# Altium PCB Tag201_GangProgrammerRev2.PcbDoc (part 6 of 7)
Units mil, origin at the board's own origin, x right, y up, seen from the top; angles counter-clockwise.
Board outline 10400 x 10885 mil, 4 copper layers (Top Layer, VCC, GND, Bottom Layer), stack 67.2 mil thick; 831 components, 394 nets, 2486 pads, 638 vias.
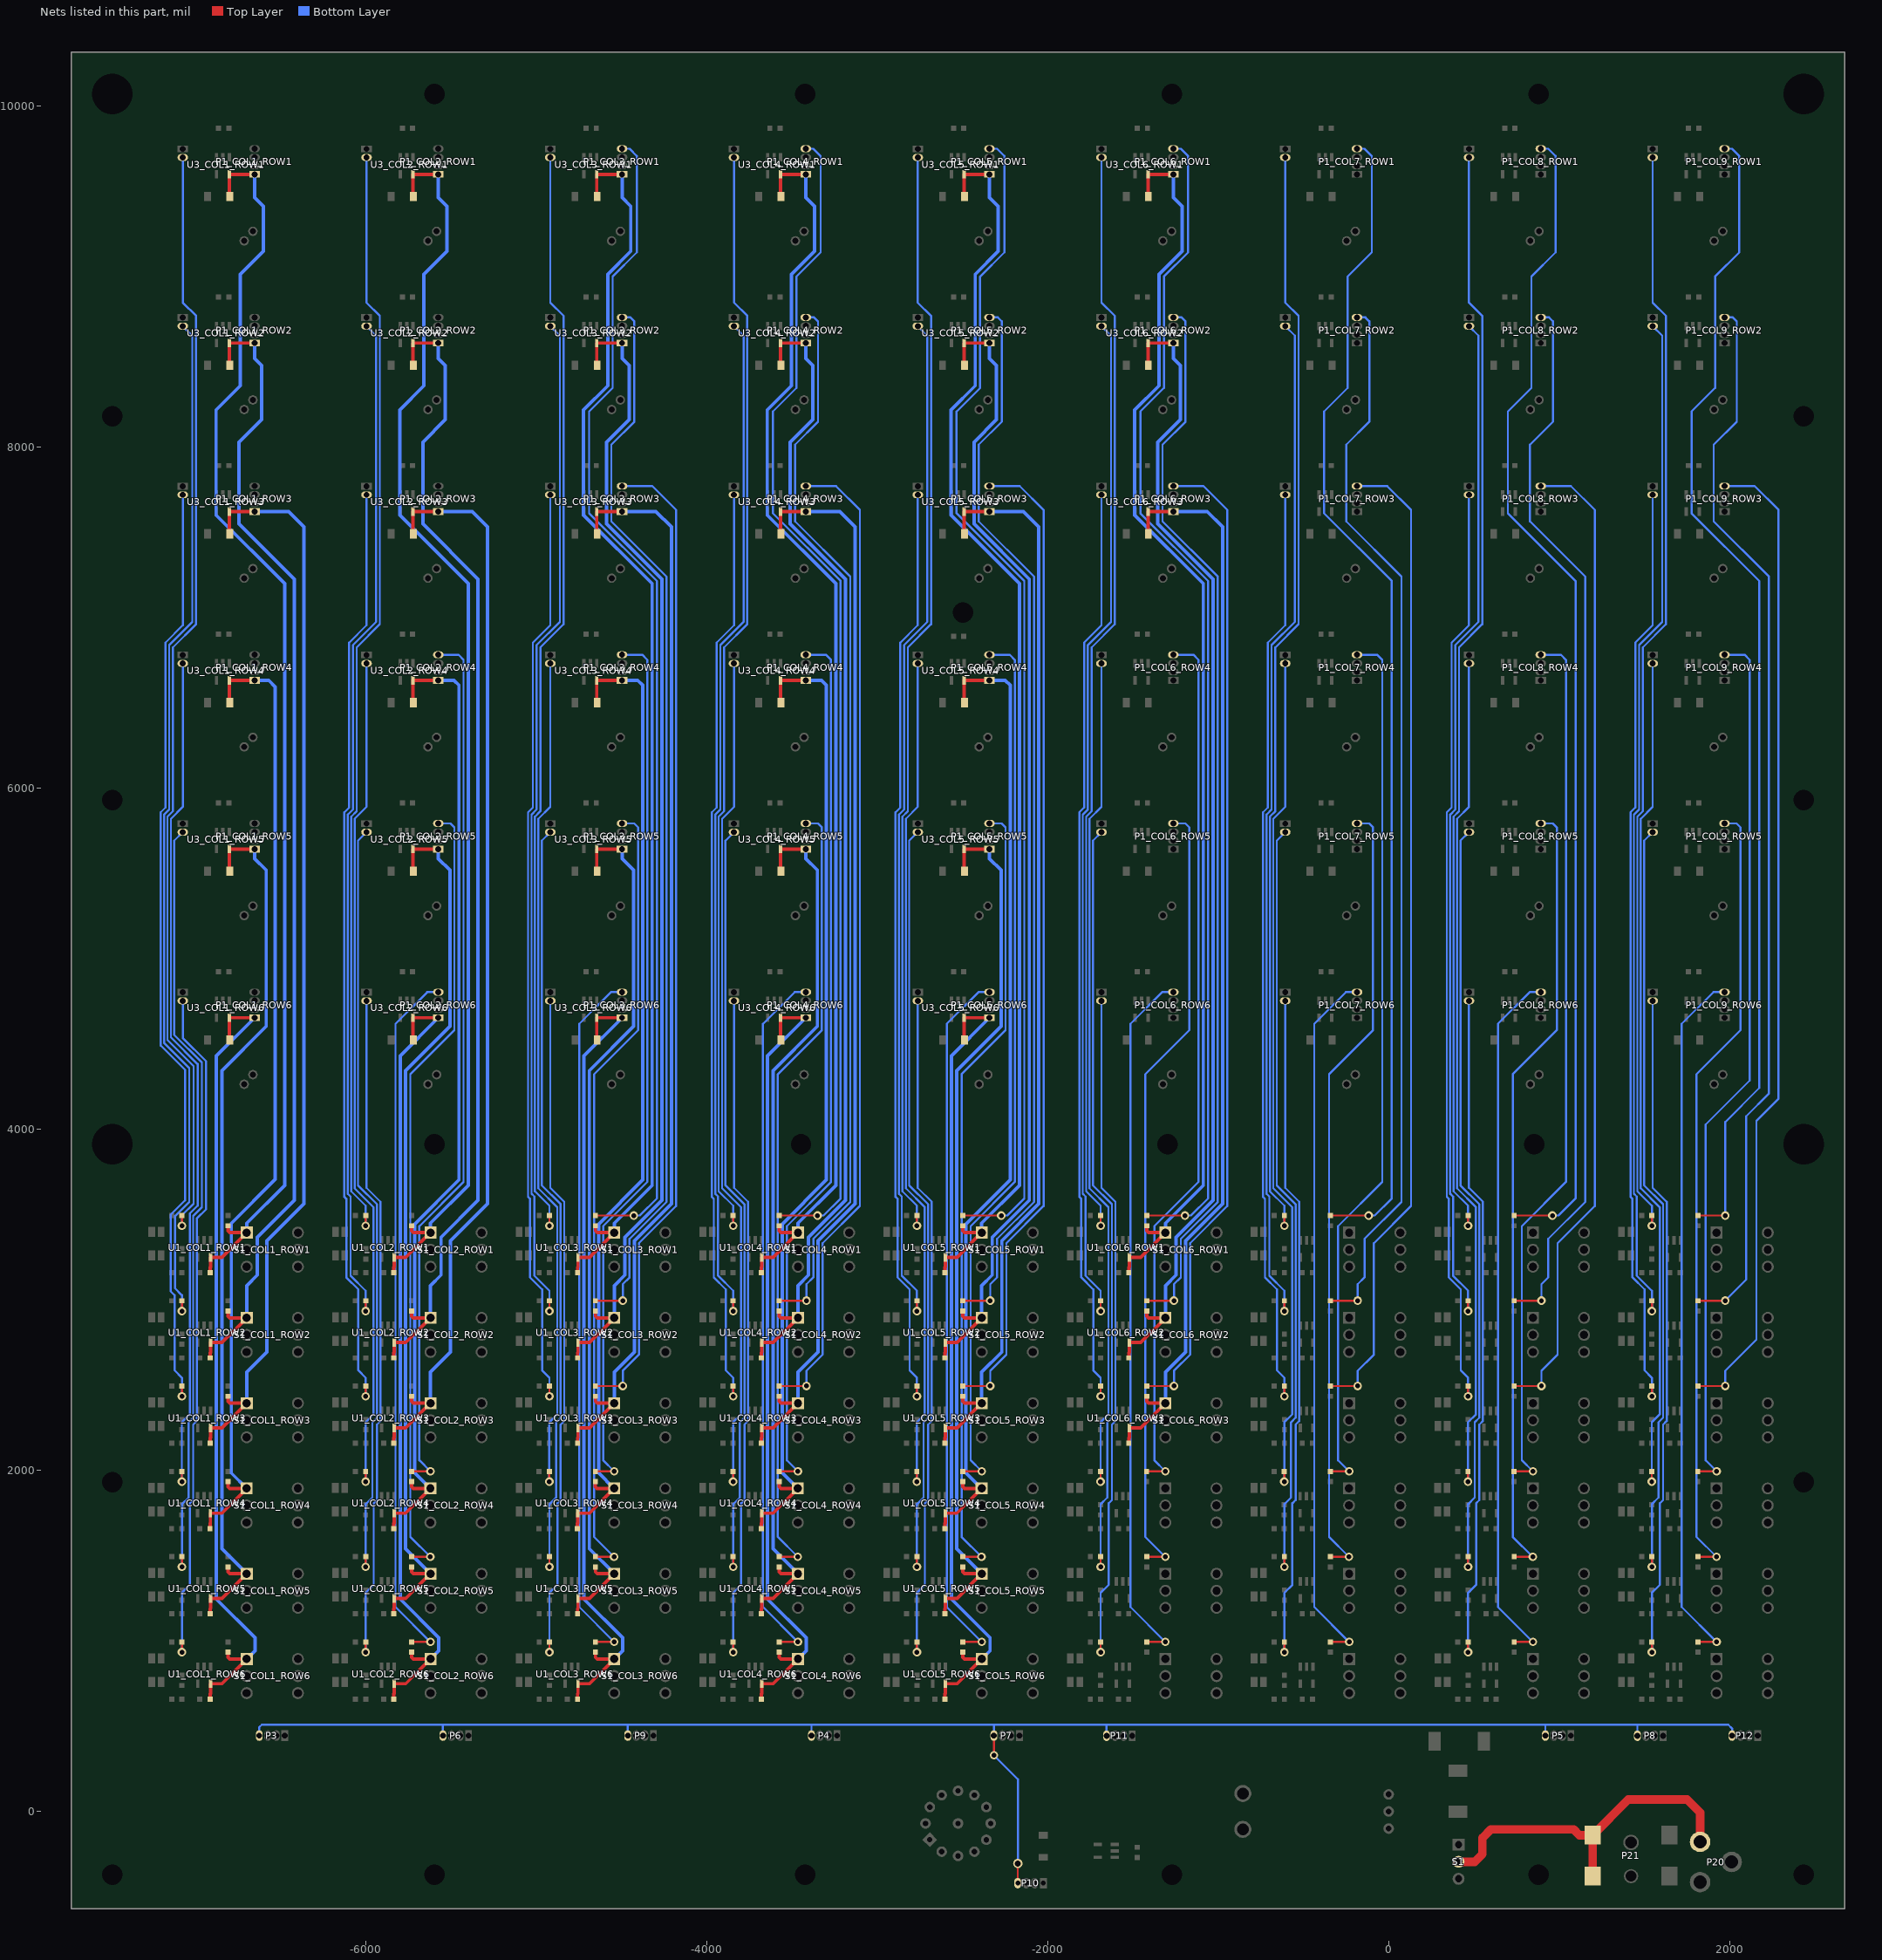
[diagram p8: the nets of this part, all layers, seen from the top]

## Via types
v1: diameter 50, hole 28, Top Layer to Bottom Layer, tented both sides, 638 vias

## Nets (pads, with @x,y where several pads share a name; then routed paths per layer and width w, separated by ;. In a path a pad name is that pad's centre, name@x,y a point inside that pad or via, vN(x,y) a via of type N, cw(c..) or ccw(c..) an arc to the next point about the centre after c; other vN are vias at no path point) (continued)
RESET_COL2_ROW4: P1_COL2_ROW4.4 R4_COL2_ROW4.1 | length 5163.1
  Top Layer w12: R4_COL2_ROW4.1@-5729.5,1994 v1(-5619,1994)
  Bottom Layer w12: v1(-5619,1994) -5684,2059 -5684,3432 -5425,3691 -5425,6752 -5455,6782 P1_COL2_ROW4.4@-5573,6782
RESET_COL2_ROW5: P1_COL2_ROW5.4 R4_COL2_ROW5.1 | length 4644.9
  Top Layer w12: R4_COL2_ROW5.1@-5729,1494 v1@-5620,1494
  Bottom Layer w12: v1(-5620,1493) -5737,1610 -5737,4323 -5479,4581 -5479,5770 -5502,5793 P1_COL2_ROW5.4@-5573,5793
RESET_COL2_ROW6: P1_COL2_ROW6.4 R4_COL2_ROW6.1 | length 4147
  Top Layer w12: R4_COL2_ROW6.1@-5729,994 v1(-5619,994)
  Bottom Layer w12: v1(-5619,994) -5824,1199 -5824,4618 -5638,4804 P1_COL2_ROW6.4@-5573,4804
RESET_COL3_ROW1: P1_COL3_ROW1.4 R4_COL3_ROW1.1 | length 6898.4
  Top Layer w12: R4_COL3_ROW1.1@-4651.5,3494 v1(-4427,3494)
  Bottom Layer w12: P1_COL3_ROW1.4@-4495.5,9749 -4451.5,9749 -4408.5,9706 -4408.5,9142 -4550.5,9000 -4550.5,8346 -4688.5,8208 -4688.5,7612 -4291.5,7215 -4291.5,3594.5 -4392,3494 v1(-4427,3494)
RESET_COL3_ROW2: P1_COL3_ROW2.4 R4_COL3_ROW2.1 | length 6280.1
  Top Layer w12: R4_COL3_ROW2.1@-4651.5,2994 v1@-4491.5,2994
  Bottom Layer w12: P1_COL3_ROW2.4@-4495.5,8760 -4446.5,8760 -4423.5,8737 -4423.5,8149 -4558.5,8014 -4558.5,7564 -4234.5,7240 -4234.5,3574 -4451.5,3357 -4451.5,3131 -4491.5,3091 v1(-4491.5,2995)
RESET_COL3_ROW3: P1_COL3_ROW3.4 R4_COL3_ROW3.1 | length 5800.6
  Top Layer w12: R4_COL3_ROW3.1@-4651.5,2494 v1@-4491.5,2494
  Bottom Layer w12: P1_COL3_ROW3.4@-4495.5,7771 -4318.5,7771 -4178.5,7631 -4178.5,3550 -4396.5,3332 -4396.5,2679 -4491.5,2584 v1(-4491.5,2495)
RESET_COL3_ROW4: P1_COL3_ROW4.4 R4_COL3_ROW4.1 | length 5163.1
  Top Layer w12: R4_COL3_ROW4.1@-4652,1994 v1(-4541.5,1994)
  Bottom Layer w12: v1(-4541.5,1994) -4606.5,2059 -4606.5,3432 -4347.5,3691 -4347.5,6752 -4377.5,6782 P1_COL3_ROW4.4@-4495.5,6782
RESET_COL3_ROW5: P1_COL3_ROW5.4 R4_COL3_ROW5.1 | length 4644.9
  Top Layer w12: R4_COL3_ROW5.1@-4651.5,1494 v1@-4542.5,1494
  Bottom Layer w12: v1(-4542.5,1493) -4659.5,1610 -4659.5,4323 -4401.5,4581 -4401.5,5770 -4424.5,5793 P1_COL3_ROW5.4@-4495.5,5793
RESET_COL3_ROW6: P1_COL3_ROW6.4 R4_COL3_ROW6.1 | length 4147
  Top Layer w12: R4_COL3_ROW6.1@-4651.5,994 v1(-4541.5,994)
  Bottom Layer w12: v1(-4541.5,994) -4746.5,1199 -4746.5,4618 -4560.5,4804 P1_COL3_ROW6.4@-4495.5,4804
RESET_COL4_ROW1: P1_COL4_ROW1.4 R4_COL4_ROW1.1 | length 6898.4
  Top Layer w12: R4_COL4_ROW1.1@-3574,3494 v1(-3349.5,3494)
  Bottom Layer w12: P1_COL4_ROW1.4@-3418,9749 -3374,9749 -3331,9706 -3331,9142 -3473,9000 -3473,8346 -3611,8208 -3611,7612 -3214,7215 -3214,3594.5 -3314.5,3494 v1(-3349.5,3494)
RESET_COL4_ROW2: P1_COL4_ROW2.4 R4_COL4_ROW2.1 | length 6280.1
  Top Layer w12: R4_COL4_ROW2.1@-3574,2994 v1@-3414,2994
  Bottom Layer w12: P1_COL4_ROW2.4@-3418,8760 -3369,8760 -3346,8737 -3346,8149 -3481,8014 -3481,7564 -3157,7240 -3157,3574 -3374,3357 -3374,3131 -3414,3091 v1(-3414,2995)
RESET_COL4_ROW3: P1_COL4_ROW3.4 R4_COL4_ROW3.1 | length 5800.6
  Top Layer w12: R4_COL4_ROW3.1@-3574,2494 v1@-3414,2494
  Bottom Layer w12: P1_COL4_ROW3.4@-3418,7771 -3241,7771 -3101,7631 -3101,3550 -3319,3332 -3319,2679 -3414,2584 v1(-3414,2495)
RESET_COL4_ROW4: P1_COL4_ROW4.4 R4_COL4_ROW4.1 | length 5163.1
  Top Layer w12: R4_COL4_ROW4.1@-3574.5,1994 v1(-3464,1994)
  Bottom Layer w12: v1(-3464,1994) -3529,2059 -3529,3432 -3270,3691 -3270,6752 -3300,6782 P1_COL4_ROW4.4@-3418,6782
RESET_COL4_ROW5: P1_COL4_ROW5.4 R4_COL4_ROW5.1 | length 4644.9
  Top Layer w12: R4_COL4_ROW5.1@-3574,1494 v1@-3465,1494
  Bottom Layer w12: v1(-3465,1493) -3582,1610 -3582,4323 -3324,4581 -3324,5770 -3347,5793 P1_COL4_ROW5.4@-3418,5793
RESET_COL4_ROW6: P1_COL4_ROW6.4 R4_COL4_ROW6.1 | length 4147
  Top Layer w12: R4_COL4_ROW6.1@-3574,994 v1(-3464,994)
  Bottom Layer w12: v1(-3464,994) -3669,1199 -3669,4618 -3483,4804 P1_COL4_ROW6.4@-3418,4804
RESET_COL5_ROW1: P1_COL5_ROW1.4 R4_COL5_ROW1.1 | length 6898.4
  Top Layer w12: R4_COL5_ROW1.1@-2496.5,3494 v1(-2272,3494)
  Bottom Layer w12: P1_COL5_ROW1.4@-2340.5,9749 -2296.5,9749 -2253.5,9706 -2253.5,9142 -2395.5,9000 -2395.5,8346 -2533.5,8208 -2533.5,7612 -2136.5,7215 -2136.5,3594.5 -2237,3494 v1(-2272,3494)
RESET_COL5_ROW2: P1_COL5_ROW2.4 R4_COL5_ROW2.1 | length 6280.1
  Top Layer w12: R4_COL5_ROW2.1@-2496.5,2994 v1@-2336.5,2994
  Bottom Layer w12: P1_COL5_ROW2.4@-2340.5,8760 -2291.5,8760 -2268.5,8737 -2268.5,8149 -2403.5,8014 -2403.5,7564 -2079.5,7240 -2079.5,3574 -2296.5,3357 -2296.5,3131 -2336.5,3091 v1(-2336.5,2995)
RESET_COL5_ROW3: P1_COL5_ROW3.4 R4_COL5_ROW3.1 | length 5800.6
  Top Layer w12: R4_COL5_ROW3.1@-2496.5,2494 v1@-2336.5,2494
  Bottom Layer w12: P1_COL5_ROW3.4@-2340.5,7771 -2163.5,7771 -2023.5,7631 -2023.5,3550 -2241.5,3332 -2241.5,2679 -2336.5,2584 v1(-2336.5,2495)
RESET_COL5_ROW4: P1_COL5_ROW4.4 R4_COL5_ROW4.1 | length 5163.1
  Top Layer w12: R4_COL5_ROW4.1@-2497,1994 v1(-2386.5,1994)
  Bottom Layer w12: v1(-2386.5,1994) -2451.5,2059 -2451.5,3432 -2192.5,3691 -2192.5,6752 -2222.5,6782 P1_COL5_ROW4.4@-2340.5,6782
RESET_COL5_ROW5: P1_COL5_ROW5.4 R4_COL5_ROW5.1 | length 4644.9
  Top Layer w12: R4_COL5_ROW5.1@-2496.5,1494 v1@-2387.5,1494
  Bottom Layer w12: v1(-2387.5,1493) -2504.5,1610 -2504.5,4323 -2246.5,4581 -2246.5,5770 -2269.5,5793 P1_COL5_ROW5.4@-2340.5,5793
RESET_COL5_ROW6: P1_COL5_ROW6.4 R4_COL5_ROW6.1 | length 4147
  Top Layer w12: R4_COL5_ROW6.1@-2496.5,994 v1(-2386.5,994)
  Bottom Layer w12: v1(-2386.5,994) -2591.5,1199 -2591.5,4618 -2405.5,4804 P1_COL5_ROW6.4@-2340.5,4804
RESET_COL6_ROW1: P1_COL6_ROW1.4 R4_COL6_ROW1.1 | length 6898.4
  Top Layer w12: R4_COL6_ROW1.1@-1419,3494 v1(-1194.5,3494)
  Bottom Layer w12: P1_COL6_ROW1.4@-1263,9749 -1219,9749 -1176,9706 -1176,9142 -1318,9000 -1318,8346 -1456,8208 -1456,7612 -1059,7215 -1059,3594.5 -1159.5,3494 v1(-1194.5,3494)
RESET_COL6_ROW2: P1_COL6_ROW2.4 R4_COL6_ROW2.1 | length 6280.1
  Top Layer w12: R4_COL6_ROW2.1@-1419,2994 v1@-1259,2994
  Bottom Layer w12: P1_COL6_ROW2.4@-1263,8760 -1214,8760 -1191,8737 -1191,8149 -1326,8014 -1326,7564 -1002,7240 -1002,3574 -1219,3357 -1219,3131 -1259,3091 v1(-1259,2995)
RESET_COL6_ROW3: P1_COL6_ROW3.4 R4_COL6_ROW3.1 | length 5800.6
  Top Layer w12: R4_COL6_ROW3.1@-1419,2494 v1@-1259,2494
  Bottom Layer w12: P1_COL6_ROW3.4@-1263,7771 -1086,7771 -946,7631 -946,3550 -1164,3332 -1164,2679 -1259,2584 v1(-1259,2495)
RESET_COL6_ROW4: P1_COL6_ROW4.4 R4_COL6_ROW4.1 | length 5163.1
  Top Layer w12: R4_COL6_ROW4.1@-1419.5,1994 v1(-1309,1994)
  Bottom Layer w12: v1(-1309,1994) -1374,2059 -1374,3432 -1115,3691 -1115,6752 -1145,6782 P1_COL6_ROW4.4@-1263,6782
RESET_COL6_ROW5: P1_COL6_ROW5.4 R4_COL6_ROW5.1 | length 4644.9
  Top Layer w12: R4_COL6_ROW5.1@-1419,1494 v1@-1310,1494
  Bottom Layer w12: v1(-1310,1493) -1427,1610 -1427,4323 -1169,4581 -1169,5770 -1192,5793 P1_COL6_ROW5.4@-1263,5793
RESET_COL6_ROW6: P1_COL6_ROW6.4 R4_COL6_ROW6.1 | length 4147
  Top Layer w12: R4_COL6_ROW6.1@-1419,994 v1(-1309,994)
  Bottom Layer w12: v1(-1309,994) -1514,1199 -1514,4618 -1328,4804 P1_COL6_ROW6.4@-1263,4804
RESET_COL7_ROW1: P1_COL7_ROW1.4 R4_COL7_ROW1.1 | length 6898.4
  Top Layer w12: R4_COL7_ROW1.1@-341.5,3494 v1(-117,3494)
  Bottom Layer w12: P1_COL7_ROW1.4@-185.5,9749 -141.5,9749 -98.5,9706 -98.5,9142 -240.5,9000 -240.5,8346 -378.5,8208 -378.5,7612 18.5,7215 18.5,3594.5 -82,3494 v1(-117,3494)
RESET_COL7_ROW2: P1_COL7_ROW2.4 R4_COL7_ROW2.1 | length 6280.1
  Top Layer w12: R4_COL7_ROW2.1@-341.5,2994 v1@-181.5,2994
  Bottom Layer w12: P1_COL7_ROW2.4@-185.5,8760 -136.5,8760 -113.5,8737 -113.5,8149 -248.5,8014 -248.5,7564 75.5,7240 75.5,3574 -141.5,3357 -141.5,3131 -181.5,3091 v1(-181.5,2995)
RESET_COL7_ROW3: P1_COL7_ROW3.4 R4_COL7_ROW3.1 | length 5800.6
  Top Layer w12: R4_COL7_ROW3.1@-341.5,2494 v1@-181.5,2494
  Bottom Layer w12: P1_COL7_ROW3.4@-185.5,7771 -8.5,7771 131.5,7631 131.5,3550 -86.5,3332 -86.5,2679 -181.5,2584 v1(-181.5,2495)
RESET_COL7_ROW4: P1_COL7_ROW4.4 R4_COL7_ROW4.1 | length 5163.1
  Top Layer w12: R4_COL7_ROW4.1@-342,1994 v1(-231.5,1994)
  Bottom Layer w12: v1(-231.5,1994) -296.5,2059 -296.5,3432 -37.5,3691 -37.5,6752 -67.5,6782 P1_COL7_ROW4.4@-185.5,6782
RESET_COL7_ROW5: P1_COL7_ROW5.4 R4_COL7_ROW5.1 | length 4644.9
  Top Layer w12: R4_COL7_ROW5.1@-341.5,1494 v1@-232.5,1494
  Bottom Layer w12: v1(-232.5,1493) -349.5,1610 -349.5,4323 -91.5,4581 -91.5,5770 -114.5,5793 P1_COL7_ROW5.4@-185.5,5793
RESET_COL7_ROW6: P1_COL7_ROW6.4 R4_COL7_ROW6.1 | length 4147
  Top Layer w12: R4_COL7_ROW6.1@-341.5,994 v1(-231.5,994)
  Bottom Layer w12: v1(-231.5,994) -436.5,1199 -436.5,4618 -250.5,4804 P1_COL7_ROW6.4@-185.5,4804
RESET_COL8_ROW1: P1_COL8_ROW1.4 R4_COL8_ROW1.1 | length 6898.4
  Top Layer w12: R4_COL8_ROW1.1@736,3494 v1(960.5,3494)
  Bottom Layer w12: P1_COL8_ROW1.4@892,9749 936,9749 979,9706 979,9142 837,9000 837,8346 699,8208 699,7612 1096,7215 1096,3594.5 995.5,3494 v1(960.5,3494)
RESET_COL8_ROW2: P1_COL8_ROW2.4 R4_COL8_ROW2.1 | length 6280.1
  Top Layer w12: R4_COL8_ROW2.1@736,2994 v1@896,2994
  Bottom Layer w12: P1_COL8_ROW2.4@892,8760 941,8760 964,8737 964,8149 829,8014 829,7564 1153,7240 1153,3574 936,3357 936,3131 896,3091 v1(896,2995)
RESET_COL8_ROW3: P1_COL8_ROW3.4 R4_COL8_ROW3.1 | length 5800.6
  Top Layer w12: R4_COL8_ROW3.1@736,2494 v1@896,2494
  Bottom Layer w12: P1_COL8_ROW3.4@892,7771 1069,7771 1209,7631 1209,3550 991,3332 991,2679 896,2584 v1(896,2495)
RESET_COL8_ROW4: P1_COL8_ROW4.4 R4_COL8_ROW4.1 | length 5163.1
  Top Layer w12: R4_COL8_ROW4.1@735.5,1994 v1(846,1994)
  Bottom Layer w12: v1(846,1994) 781,2059 781,3432 1040,3691 1040,6752 1010,6782 P1_COL8_ROW4.4@892,6782
RESET_COL8_ROW5: P1_COL8_ROW5.4 R4_COL8_ROW5.1 | length 4644.9
  Top Layer w12: R4_COL8_ROW5.1@736,1494 v1@845,1494
  Bottom Layer w12: v1(845,1493) 728,1610 728,4323 986,4581 986,5770 963,5793 P1_COL8_ROW5.4@892,5793
RESET_COL8_ROW6: P1_COL8_ROW6.4 R4_COL8_ROW6.1 | length 4147
  Top Layer w12: R4_COL8_ROW6.1@736,994 v1(846,994)
  Bottom Layer w12: v1(846,994) 641,1199 641,4618 827,4804 P1_COL8_ROW6.4@892,4804
RESET_COL9_ROW1: P1_COL9_ROW1.4 R4_COL9_ROW1.1 | length 6840.1
  Top Layer w12: R4_COL9_ROW1.1@1813.5,3494 v1(1973.5,3494)
  Bottom Layer w12: P1_COL9_ROW1.4@1969.5,9749 2013.5,9749 2056.5,9706 2056.5,9142 1914.5,9000 1914.5,8346 1776.5,8208 1776.5,7612 2173.5,7215 2173.5,4242 1973.5,4042 v1(1973.5,3494)
RESET_COL9_ROW2: P1_COL9_ROW2.4 R4_COL9_ROW2.1 | length 6280.1
  Top Layer w12: R4_COL9_ROW2.1@1813.5,2994 v1@1973.5,2994
  Bottom Layer w12: P1_COL9_ROW2.4@1969.5,8760 2018.5,8760 2041.5,8737 2041.5,8149 1906.5,8014 1906.5,7564 2230.5,7240 2230.5,4210 2096.5,4076 2096.5,3118 v1(1973.5,2995)
RESET_COL9_ROW3: P1_COL9_ROW3.4 R4_COL9_ROW3.1 | length 5800.6
  Top Layer w12: R4_COL9_ROW3.1@1813.5,2494 v1@1973.5,2494
  Bottom Layer w12: P1_COL9_ROW3.4@1969.5,7771 2146.5,7771 2286.5,7631 2286.5,4179 2156.5,4049 2156.5,2767 1973.5,2584 v1(1973.5,2495)
RESET_COL9_ROW4: P1_COL9_ROW4.4 R4_COL9_ROW4.1 | length 5163.1
  Top Layer w12: R4_COL9_ROW4.1@1813,1994 v1(1923.5,1994)
  Bottom Layer w12: v1(1923.5,1994) 1858.5,2059 1858.5,4027 2117.5,4286 2117.5,6752 2087.5,6782 P1_COL9_ROW4.4@1969.5,6782
RESET_COL9_ROW5: P1_COL9_ROW5.4 R4_COL9_ROW5.1 | length 4644.9
  Top Layer w12: R4_COL9_ROW5.1@1813.5,1494 v1@1922.5,1494
  Bottom Layer w12: v1(1922.5,1493) 1805.5,1610 1805.5,4323 2063.5,4581 2063.5,5770 2040.5,5793 P1_COL9_ROW5.4@1969.5,5793
RESET_COL9_ROW6: P1_COL9_ROW6.4 R4_COL9_ROW6.1 | length 4147
  Top Layer w12: R4_COL9_ROW6.1@1813.5,994 v1(1923.5,994)
  Bottom Layer w12: v1(1923.5,994) 1718.5,1199 1718.5,4618 1904.5,4804 P1_COL9_ROW6.4@1969.5,4804
RESET_DRV_3: P3.4 P4.4 P5.4 P6.4 P7.4 P8.4 P9.4 P10.4 P11.4 P12.4 TP1.1 | length 10112
  Top Layer w12: v1(-2315,330) P7.4@-2315,445 ; P10.4@-2175,-420 TP1.1@-2175,-305.5
  Bottom Layer w12: P3.4@-6623,445 -6623,494 -6608,509 -5546,509 ; P6.4@-5546,445 -5546,509 ; P9.4@-4462,445 -4462,508 ; P4.4@-3385,445 -3385,508 ; v1(-2315,330) -2174.5,189.5 TP1.1@-2174.5,-305 ; P7.4@-2315,445 -2315,508 ; P11.4@-1654,444 -1654,509 ; P5.4@919,445 919,509 ; P8.4@1459,444 1459,508 ; P12.4@2014,445 2014,487 1992,509 919,509 ; -5546,509 -1654,509 ; -1654,509 919,509
TEST_COL1_ROW1: P2_COL1_ROW1.2 R1_COL1_ROW1.2 | length 6517.4
  Top Layer w12: v1(-7076.5,3434) R1_COL1_ROW1.2@-7076.5,3494
  Bottom Layer w12: v1(-7076.5,3434) -7076.5,3495 -7008.5,3563 -7008.5,4370 -7161.5,4523 -7161.5,5833 -7129.5,5865 -7129.5,6825 -6993.5,6961 -6993.5,8769 -7071.5,8847 P2_COL1_ROW1.2@-7071.5,9698
TEST_COL1_ROW2: P2_COL1_ROW2.2 R1_COL1_ROW2.2 | length 6040
  Top Layer w12: v1(-7076.5,2934) R1_COL1_ROW2.2@-7076.5,2994
  Bottom Layer w12: v1(-7076.5,2934) -7076.5,3027 -7117.5,3068 -7117.5,3489 -7033.5,3573 -7033.5,4359 -7181.5,4507 -7181.5,5845 -7151.5,5875 -7151.5,6839 -7015.5,6975 -7015.5,8653 P2_COL1_ROW2.2@-7071.5,8709
TEST_COL1_ROW3: P2_COL1_ROW3.2 R1_COL1_ROW3.2 | length 5521.2
  Top Layer w12: v1(-7076.5,2434) R1_COL1_ROW3.2@-7076.5,2494
  Bottom Layer w12: v1(-7076.5,2434) -7076.5,2543 -7119.5,2586 -7119.5,3027 -7142.5,3050 -7142.5,3499 -7058.5,3583 -7058.5,4348 -7201.5,4491 -7201.5,5858 -7173.5,5886 -7173.5,6853 -7071.5,6955 P2_COL1_ROW3.2@-7071.5,7720
TEST_COL1_ROW4: P2_COL1_ROW4.2 R1_COL1_ROW4.2 | length 4989.3
  Top Layer w12: v1(-7077,1934) R1_COL1_ROW4.2@-7077,1994
  Bottom Layer w12: v1(-7077,1934) -7077,2281.5 -7030.5,2328 -7030.5,3506 -6984.5,3552 -6984.5,4382 -7141.5,4539 -7141.5,5820 -7071.5,5890 P2_COL1_ROW4.2@-7071.5,6731
TEST_COL1_ROW5: P2_COL1_ROW5.2 R1_COL1_ROW5.2 | length 4504.3
  Top Layer w12: v1(-7076.5,1434) R1_COL1_ROW5.2@-7076.5,1494
  Bottom Layer w12: v1(-7076.5,1434) -7076.5,1802 -7037.5,1841 -7037.5,2282 -7010.5,2309 -7010.5,3492 -6959.5,3543 -6959.5,4391 -7121.5,4553 -7121.5,5692 P2_COL1_ROW5.2@-7071.5,5742
TEST_COL1_ROW6: P2_COL1_ROW6.2 R1_COL1_ROW6.2 | length 3994.6
  Top Layer w12: v1(-7076.5,934) R1_COL1_ROW6.2@-7076.5,994
  Bottom Layer w12: v1(-7076.5,934) -7076.5,1282 -7029.5,1329 -7029.5,1807 -7010.5,1826 -7010.5,2268 -6989.5,2289 -6989.5,3476 -6934.5,3531 -6934.5,4398 -7071.5,4535 P2_COL1_ROW6.2@-7071.5,4753
TEST_COL2_ROW1: P2_COL2_ROW1.2 R1_COL2_ROW1.2 | length 6461.1
  Top Layer w12: v1(-5999,3434) R1_COL2_ROW1.2@-5999,3494
  Bottom Layer w12: v1(-5999,3434) -5999,3551.5 -6084,3636.5 -6084,5833 -6052,5865 -6052,6825 -5916,6961 -5916,8769 -5994,8847 P2_COL2_ROW1.2@-5994,9698
TEST_COL2_ROW2: P2_COL2_ROW2.2 R1_COL2_ROW2.2 | length 5970.4
  Top Layer w12: v1(-5999,2934) R1_COL2_ROW2.2@-5999,2994
  Bottom Layer w12: v1(-5999,2934) -5999,3053.5 -6087.5,3142 -6087.5,3605 -6104,3621.5 -6104,5845 -6074,5875 -6074,6839 -5938,6975 -5938,8653 P2_COL2_ROW2.2@-5994,8709
TEST_COL2_ROW3: P2_COL2_ROW3.2 R1_COL2_ROW3.2 | length 5451.6
  Top Layer w12: v1(-5999,2434) R1_COL2_ROW3.2@-5999,2494
  Bottom Layer w12: v1(-5999,2434) -5999,2543 -6042,2586 -6042,3061 -6112.5,3131.5 -6112.5,3592 -6124,3603.5 -6124,5858 -6096,5886 -6096,6853 -5994,6955 P2_COL2_ROW3.2@-5994,7720
TEST_COL2_ROW4: P2_COL2_ROW4.2 R1_COL2_ROW4.2 | length 4951.2
  Top Layer w12: v1(-5999.5,1934) R1_COL2_ROW4.2@-5999.5,1994
  Bottom Layer w12: v1(-5999.5,1934) -5999.5,2281.5 -5953,2328 -5953,3543 -6064,3654 -6064,5820 -5994,5890 P2_COL2_ROW4.2@-5994,6731
TEST_COL2_ROW5: P2_COL2_ROW5.2 R1_COL2_ROW5.2 | length 4462
  Top Layer w12: v1(-5999,1434) R1_COL2_ROW5.2@-5999,1494
  Bottom Layer w12: v1(-5999,1434) -5999,1802 -5960,1841 -5960,2282 -5933,2309 -5933,3560 -6044,3671 -6044,5692 P2_COL2_ROW5.2@-5994,5742
TEST_COL2_ROW6: P2_COL2_ROW6.2 R1_COL2_ROW6.2 | length 3949
  Top Layer w12: v1(-5999,934) R1_COL2_ROW6.2@-5999,994
  Bottom Layer w12: v1(-5999,934) -5999,1282 -5952,1329 -5952,1807 -5933,1826 -5933,2268 -5912,2289 -5912,3575 -5994,3657 P2_COL2_ROW6.2@-5994,4753
TEST_COL3_ROW1: P2_COL3_ROW1.2 R1_COL3_ROW1.2 | length 6461.1
  Top Layer w12: v1(-4921.5,3434) R1_COL3_ROW1.2@-4921.5,3494
  Bottom Layer w12: v1(-4921.5,3434) -4921.5,3551.5 -5006.5,3636.5 -5006.5,5833 -4974.5,5865 -4974.5,6825 -4838.5,6961 -4838.5,8769 -4916.5,8847 P2_COL3_ROW1.2@-4916.5,9698
TEST_COL3_ROW2: P2_COL3_ROW2.2 R1_COL3_ROW2.2 | length 5970.4
  Top Layer w12: v1(-4921.5,2934) R1_COL3_ROW2.2@-4921.5,2994
  Bottom Layer w12: v1(-4921.5,2934) -4921.5,3053.5 -5010,3142 -5010,3605 -5026.5,3621.5 -5026.5,5845 -4996.5,5875 -4996.5,6839 -4860.5,6975 -4860.5,8653 P2_COL3_ROW2.2@-4916.5,8709
TEST_COL3_ROW3: P2_COL3_ROW3.2 R1_COL3_ROW3.2 | length 5451.6
  Top Layer w12: v1(-4921.5,2434) R1_COL3_ROW3.2@-4921.5,2494
  Bottom Layer w12: v1(-4921.5,2434) -4921.5,2543 -4964.5,2586 -4964.5,3061 -5035,3131.5 -5035,3592 -5046.5,3603.5 -5046.5,5858 -5018.5,5886 -5018.5,6853 -4916.5,6955 P2_COL3_ROW3.2@-4916.5,7720
TEST_COL3_ROW4: P2_COL3_ROW4.2 R1_COL3_ROW4.2 | length 4951.2
  Top Layer w12: v1(-4922,1934) R1_COL3_ROW4.2@-4922,1994
  Bottom Layer w12: v1(-4922,1934) -4922,2281.5 -4875.5,2328 -4875.5,3543 -4986.5,3654 -4986.5,5820 -4916.5,5890 P2_COL3_ROW4.2@-4916.5,6731
TEST_COL3_ROW5: P2_COL3_ROW5.2 R1_COL3_ROW5.2 | length 4462
  Top Layer w12: v1(-4921.5,1434) R1_COL3_ROW5.2@-4921.5,1494
  Bottom Layer w12: v1(-4921.5,1434) -4921.5,1802 -4882.5,1841 -4882.5,2282 -4855.5,2309 -4855.5,3560 -4966.5,3671 -4966.5,5692 P2_COL3_ROW5.2@-4916.5,5742
TEST_COL3_ROW6: P2_COL3_ROW6.2 R1_COL3_ROW6.2 | length 3949
  Top Layer w12: v1(-4921.5,934) R1_COL3_ROW6.2@-4921.5,994
  Bottom Layer w12: v1(-4921.5,934) -4921.5,1282 -4874.5,1329 -4874.5,1807 -4855.5,1826 -4855.5,2268 -4834.5,2289 -4834.5,3575 -4916.5,3657 P2_COL3_ROW6.2@-4916.5,4753
TEST_COL4_ROW1: P2_COL4_ROW1.2 R1_COL4_ROW1.2 | length 6461.1
  Top Layer w12: v1(-3844,3434) R1_COL4_ROW1.2@-3844,3494
  Bottom Layer w12: v1(-3844,3434) -3844,3551.5 -3929,3636.5 -3929,5833 -3897,5865 -3897,6825 -3761,6961 -3761,8769 -3839,8847 P2_COL4_ROW1.2@-3839,9698
TEST_COL4_ROW2: P2_COL4_ROW2.2 R1_COL4_ROW2.2 | length 5970.4
  Top Layer w12: v1(-3844,2934) R1_COL4_ROW2.2@-3844,2994
  Bottom Layer w12: v1(-3844,2934) -3844,3053.5 -3932.5,3142 -3932.5,3605 -3949,3621.5 -3949,5845 -3919,5875 -3919,6839 -3783,6975 -3783,8653 P2_COL4_ROW2.2@-3839,8709
TEST_COL4_ROW3: P2_COL4_ROW3.2 R1_COL4_ROW3.2 | length 5451.6
  Top Layer w12: v1(-3844,2434) R1_COL4_ROW3.2@-3844,2494
  Bottom Layer w12: v1(-3844,2434) -3844,2543 -3887,2586 -3887,3061 -3957.5,3131.5 -3957.5,3592 -3969,3603.5 -3969,5858 -3941,5886 -3941,6853 -3839,6955 P2_COL4_ROW3.2@-3839,7720
TEST_COL4_ROW4: P2_COL4_ROW4.2 R1_COL4_ROW4.2 | length 4951.2
  Top Layer w12: v1(-3844.5,1934) R1_COL4_ROW4.2@-3844.5,1994
  Bottom Layer w12: v1(-3844.5,1934) -3844.5,2281.5 -3798,2328 -3798,3543 -3909,3654 -3909,5820 -3839,5890 P2_COL4_ROW4.2@-3839,6731
TEST_COL4_ROW5: P2_COL4_ROW5.2 R1_COL4_ROW5.2 | length 4462
  Top Layer w12: v1(-3844,1434) R1_COL4_ROW5.2@-3844,1494
  Bottom Layer w12: v1(-3844,1434) -3844,1802 -3805,1841 -3805,2282 -3778,2309 -3778,3560 -3889,3671 -3889,5692 P2_COL4_ROW5.2@-3839,5742
TEST_COL4_ROW6: P2_COL4_ROW6.2 R1_COL4_ROW6.2 | length 3949
  Top Layer w12: v1(-3844,934) R1_COL4_ROW6.2@-3844,994
  Bottom Layer w12: v1(-3844,934) -3844,1282 -3797,1329 -3797,1807 -3778,1826 -3778,2268 -3757,2289 -3757,3575 -3839,3657 P2_COL4_ROW6.2@-3839,4753
TEST_COL5_ROW1: P2_COL5_ROW1.2 R1_COL5_ROW1.2 | length 6461.1
  Top Layer w12: v1(-2766.5,3434) R1_COL5_ROW1.2@-2766.5,3494
  Bottom Layer w12: v1(-2766.5,3434) -2766.5,3551.5 -2851.5,3636.5 -2851.5,5833 -2819.5,5865 -2819.5,6825 -2683.5,6961 -2683.5,8769 -2761.5,8847 P2_COL5_ROW1.2@-2761.5,9698
TEST_COL5_ROW2: P2_COL5_ROW2.2 R1_COL5_ROW2.2 | length 5970.4
  Top Layer w12: v1(-2766.5,2934) R1_COL5_ROW2.2@-2766.5,2994
  Bottom Layer w12: v1(-2766.5,2934) -2766.5,3053.5 -2855,3142 -2855,3605 -2871.5,3621.5 -2871.5,5845 -2841.5,5875 -2841.5,6839 -2705.5,6975 -2705.5,8653 P2_COL5_ROW2.2@-2761.5,8709
TEST_COL5_ROW3: P2_COL5_ROW3.2 R1_COL5_ROW3.2 | length 5451.6